# Altium PCB LimeSDR-X3_1v2.PcbDoc (part 5 of 25) (continued)
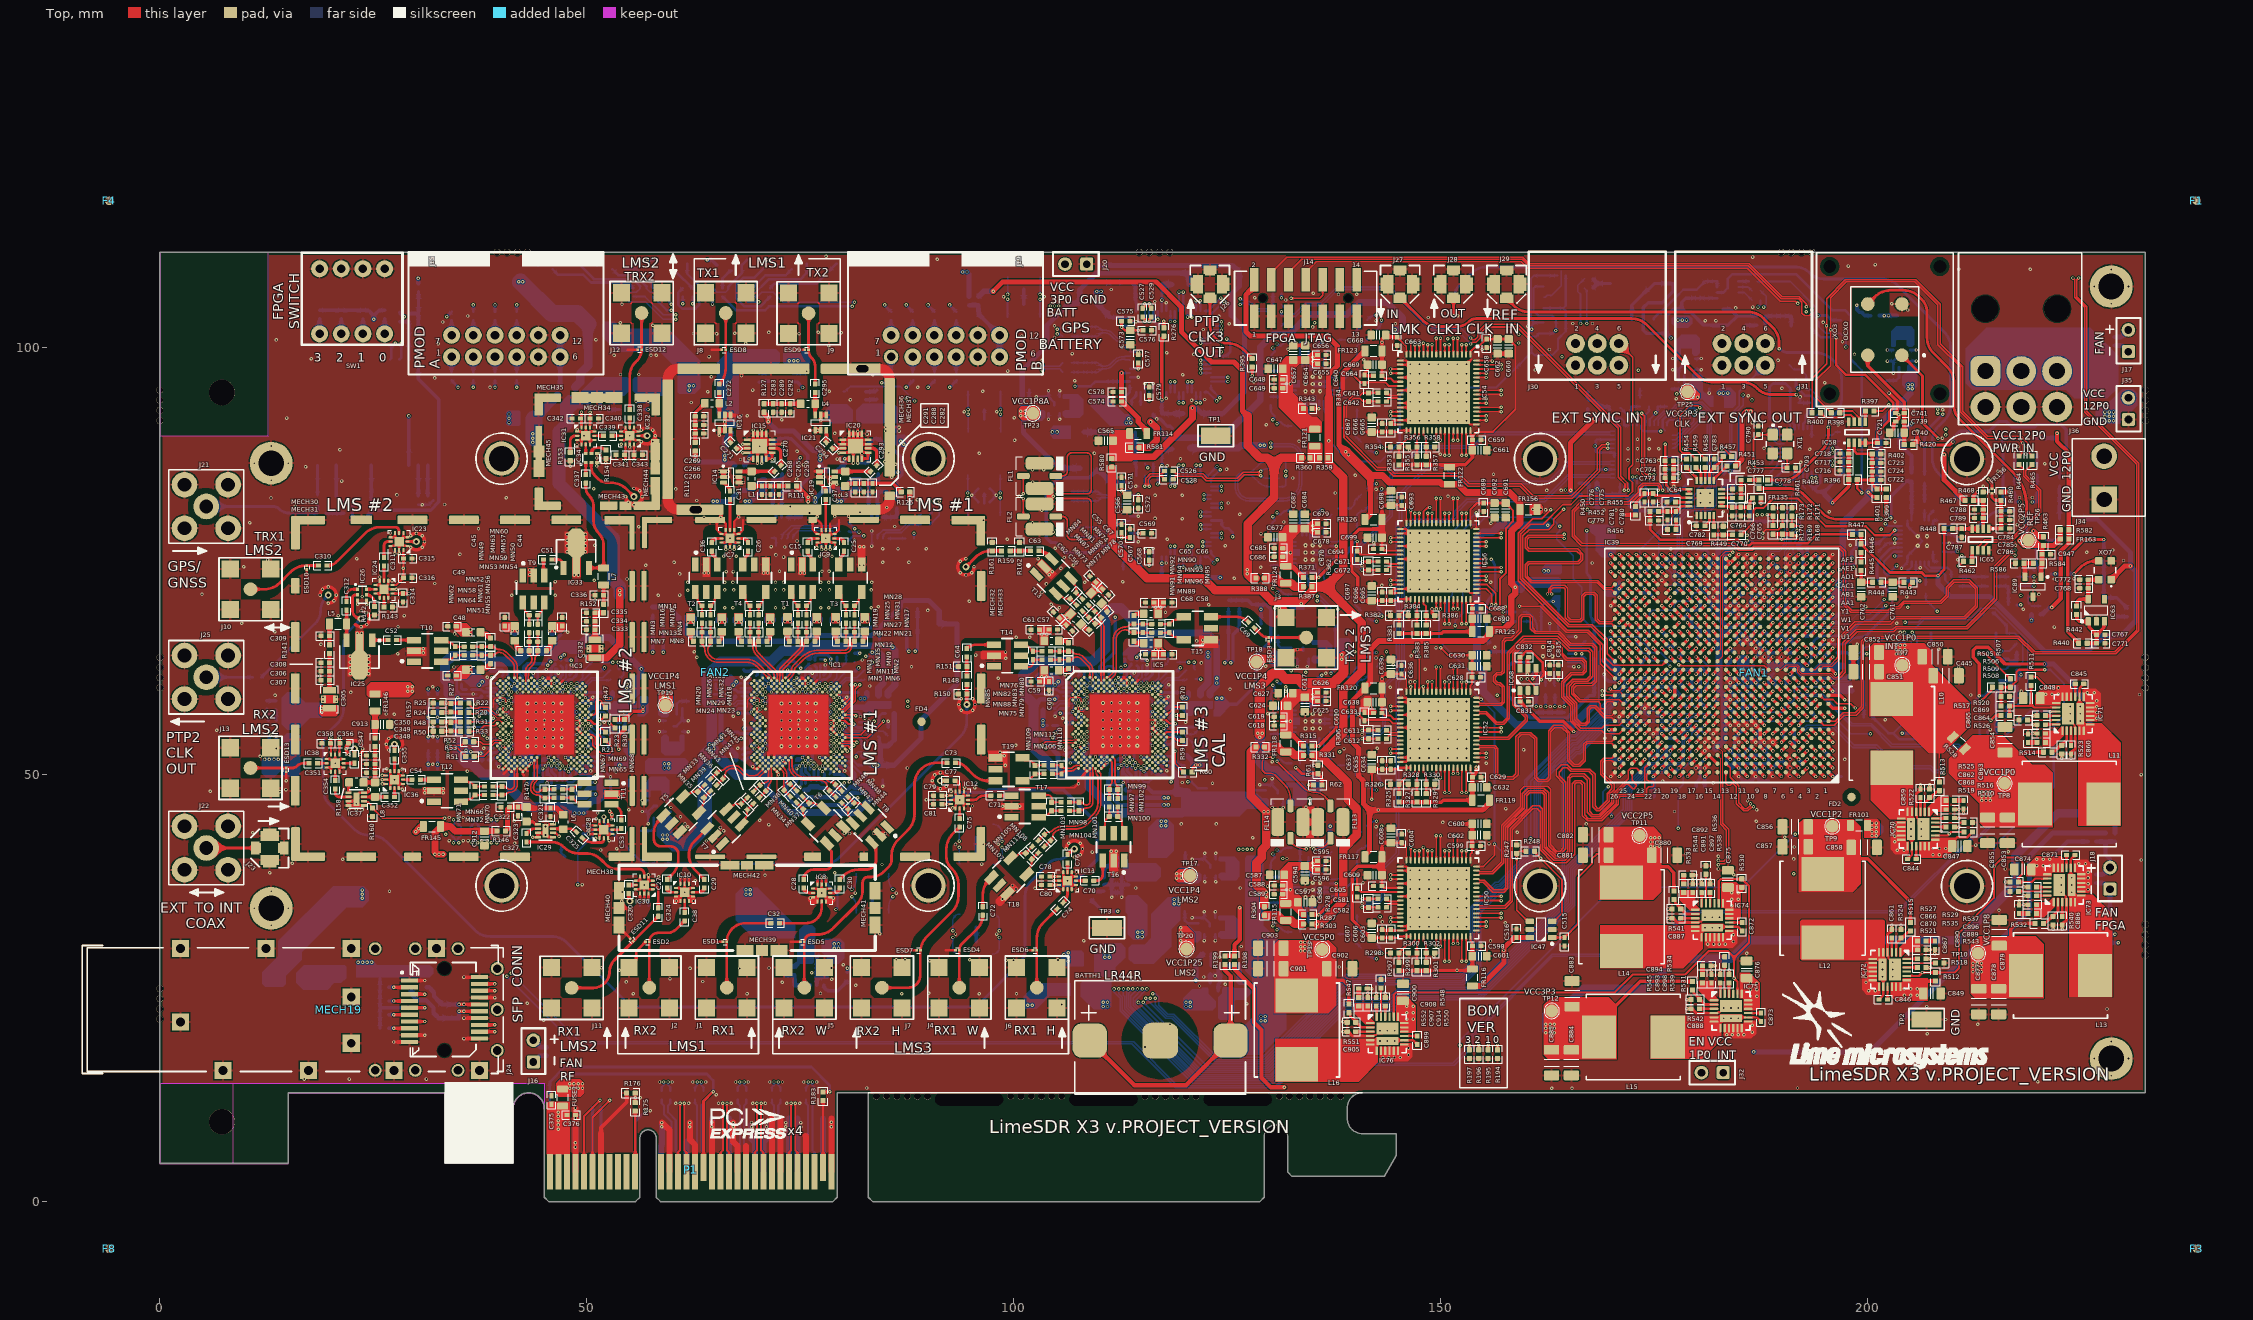
[diagram p0: Top view]
## Part data
BATTH1: library part LR44R_BATTERY_HOLDER, Case/Package=SMD/SMT, Color=Silver, Manufacturer="Keystone Electronics", Manufacturer Part Number 1=2996, Package Quantity=100, Supplier Part Number 1=36-2996-ND, Assembly Info=NF, ComponentLink1Description=http://na.industrial.panasonic.com/sites/default/pidsa/files/crseries_datasheets_merged.pdf, ComponentLink1URL=http://na.industrial.panasonic.com/sites/default/pidsa/files/crseries_datasheets_merged.pdf, ComponentLink2Description=https://datasheet.ciiva.com/18491/2996-18491290.pdf?src-supplier=Digi-Key, ComponentLink2URL=https://datasheet.ciiva.com/18491/2996-18491290.pdf?src-supplier=Digi-Key, Contact Material=Bronze, Contact Plating=Tin, Lead Free="Lead Free", Mount="Surface Mount,PCB", Number of Batteries=1, Number of Cells=1, Part Description="Battery Retainer Coin, 11.6mm 1 Cell SMD (SMT) Tab", Pricing 1="1=0,39000, 25=0,32720, 100=0,27070, 250=0,24944, 500=0,23438, 1000=0,21935, 2500=0,19929, 5000=0,18550 (USD)", REACH SVHC="No SVHC", RoHS=Yes, Series=-, Stock 1=11716, Supplier 1=Digi-Key, Termination=SMD/SMT
C1 C3 C5 C783 C790 C793: library part Cap_0402, Capacitance=10, Capacitance Tolerance="± 5%", Capacitor Case Style="0402 [1005 Metric]<!--FANDB--><div class=\"features-and-benefits-container\"></div>", Ceramic Capacitor Case="0402 [1005 Metric]", Dielectric Characteristic="C0G / NP0", Manufacturer=AVX, Manufacturer Part Number 1=04023A100JAT2A, Operating Temperature Max=125, Operating Temperature Min=-55, Supplier Part Number 1=2332478RL, Voltage Rating=25, Capacitance Tolerance ±="± 5%", MSL="MSL 1 - Unlimited", Packaging="Cut Tape", Part Description="10pF ±5% 25V C0G, NP0 Ceramic Capacitor -55°C ~ 125°C Surface Mount, MLCC 0402 (1005 Metric) 0.039\" L x 0.020\" W (1.00mm x 0.50mm)", Product Range=-, RoHS=YES, Supplier 1=Farnell, SVHC="No SVHC (16-Jun-2014)"
C2 C4 C6 C259 C260 C261 C275 C282 C283 C284 C298 C317 C322 C344 C349 C500 C524 C525 C535 C538 C542 C545 C553 C556 C559 C562 C567 C574 C701 C702 C716 C720 C722 C727 C730 C771 C772 C784 C788 C808 C819 C820 C834 C859 C860 C861 C886 C887 C888 C905 C939: library part Cap_0402, Capacitance=1, Capacitance Tolerance="± 10%", Ceramic Capacitor Case="0402 [1005 Metric]", Dielectric Characteristic=X6, Manufacturer=TDK, Manufacturer Part Number 1=C1005X5R1E105K050BC, Supplier Part Number 1=445-9066-1-ND, Voltage Rating=10, MSL=-, Part Description="1µF ±10% 10V X5R Ceramic Capacitor -55°C ~ 85°C Surface Mount, MLCC 0402 (1005 Metric) 0.039\" L x 0.020\" W (1.00mm x 0.50mm)", Product Range="TDK - C Series", RoHS=YES, Supplier 1=Digi-Key
  C771 C772: Assembly Info=NF
C7 C9 C11 C14 C17 C20 C21 C24 C25 C26 C43 C46 C47 C50 C55 C57 C60 C62 C65 C68 C69 C263 C286 C307 C312 C318 C333 C337 C345 C379 C380 C383 C384 C385 C386 C387 C388 C391 C392 C393 C394 C395 C396 C399 C400 C401 C402 C403 C404 C407 C408 C409 C410 C411 C412 C415 C416 C417 C418 C419 C420 C423 C424 C425 C426 C427 C428 C431 C432 C433 C434 C435 C436 C439 C440 C441 C442 C443 C444 C449 C450 C451 C452 C453 C454 C455 C456 C457 C458 C459 C460 C461 C464 C465 C466 C467 C468 C472 C473 C474 C475 C477 C478 C479 C480 C481 C482 C483 C484 C485 C486 C488 C489 C490 C491 C492 C493 C494 C495 C496 C497 C498 C499 C501 C700 C703 C705 C711 C712 C713 C714 C715 C719 C725 C726 C728 C735 C744 C746 C767 C768 C806 C821 C822 C823 C824 C825 C826 C827 C828 C829 C830 C835 C836 C844 C845 C846 C871 C872 C873 C899 C914 C940 MN25 MN26 MN31 MN32 MN93 MN96: library part Cap_0402, Capacitance="0.1 uF", Case Code - in=0402, Case Code - mm=1005, Case Height="0.5 mm", Case Length="1 mm", Dielectric=X7R, Manufacturer="Murata Electronics", Manufacturer Part Number 1=GRM155R71C104KA88D, Maximum Operating Temperature="+ 125 C", Minimum Operating Temperature="- 55 C", Operating Temperature Range="- 55 C to + 125 C", Package / Case="0402 (1005 metric)", Supplier Part Number 1=81-GRM155R71C104KA88, Temperature Coefficient / Code="+/- 15 %", Tolerance="10 %", Voltage Rating DC="16 V", Brand="Murata Electronics", Case Width="0.5 mm", Category="Multilayer Ceramic Capacitors MLCC - SMD/SMT", Minimum Order Quantity=1, Packaging=Reel, Part Description="0.10µF ±10% 16V X7R Ceramic Capacitor -55°C ~ 125°C Surface Mount, MLCC 0402 (1005 Metric) 0.039\" L x 0.020\" W (1.00mm x 0.50mm)", Product="General Type MLCCs", Product Category="Low & Medium Capacitance SMD Ceramic Chip Capacitors", Reeling=True, RoHS="RoHS Compliant", RoHS - Mouser=Y, Series=GRM, Standard Pack Qty=10000, Supplier 1=Mouser, Termination Style=SMD/SMT, Type="General Purpose MLCC"
  C725 C767 C768: Assembly Info=NF
C8 C10 C12 C13 C15 C16 C18 C19 C22 C23 C27 C28 C29 C30 C32 C35 C36 C38 C41 C42 C44 C45 C48 C49 C51 C52 C53 C54 C56 C58 C59 C61 C63 C64 C66 C67 C70 C71 C74 C75 C76 C77 C80 C81 C268 C269 C279 C291 C292 C302 C308 C310 C311 C315 C316 C320 C321 C323 C324 C325 C327 C328 C330 C331 C335 C338 C339 C342 C343 C347 C348 C350 C351 C352 C354 C355 C357 C358 C514 C519 C520 C521 C522 C523 C718 C732 C741 C751 C752 C753 C756 C757 C765 C766 C769 C770 C773 C774 C775 C786 C811 C814 C815 C816 C817 C837 C843 MN105 MN106 MN111 MN112: library part Cap_0402, Capacitance=100pF, Manufacturer=Yageo, Manufacturer Part Number 1=CC0402JRNPO9BN101, Operating Temperature="-55°C ~ 125°C", Package / Case="0402 (1005 Metric)", Ratings=-, Supplier Part Number 1=311-1024-1-ND, Temperature Coefficient="C0G, NP0", Tolerance=±5%, Voltage - Rated=50V, Applications="General Purpose", Category=Capacitors, Features=-, Height - Seated (Max)=-, Lead Spacing=-, Lead Style=-, Mounting Type="Surface Mount, MLCC", Part Description="100pF ±5% 50V C0G, NP0 Ceramic Capacitor -55°C ~ 125°C Surface Mount, MLCC 0402 (1005 Metric) 0.039\" L x 0.020\" W (1.00mm x 0.50mm)", RoHS="RoHS Compliant", Size / Dimension="0.039\" L x 0.020\" W (1.00mm x 0.50mm)", Supplier 1=Digi-Key, Thickness (Max)="0.022\" (0.55mm)"
  C8 C10 C12 C13 C15 C16 C18 C19 C22 C23 C27 C28 C29 C30 C32 C35 C36 C38 C41 C42 C44 C45 C48 C49 C51 C52 C53 C54 C56 C58 C59 C61 C63 C64 C66 C67 C70 C71 C74 C75 C76 C77 C80 C81 C268 C269 C291 C292 C308 C310 C311 C315 C316 C320 C321 C323 C324 C325 C327 C328 C330 C331 C335 C338 C339 C342 C343 C347 C348 C350 C351 C352 C354 C355 C357 C358 C514 C519 C741 C751 C752 C753 C756 C757 C811 C814 C815 C816 C817 C837 C843 MN105 MN106 MN111 MN112: Packaging="Cut Tape (CT)"
  C279 C302 C520 C521 C522 C523: Assembly Info=NF, Packaging="Cut Tape (CT)"
  C718 C732 C765 C766 C769 C770 C773 C774 C775 C786: Packaging="Tape & Reel (TR)"
C31 C37 C270 C271 C272 C293 C294 C295 C803 C862 C864 C866: library part Cap_0402, Capacitance=68pF, Manufacturer=Kemet, Manufacturer Part Number 1=CBR04C680F3GAC, Operating Temperature="-55°C ~ 125°C", Package / Case="0402 (1005 Metric)", Ratings=-, Supplier Part Number 1=399-11255-1-ND, Temperature Coefficient="C0G, NP0", Tolerance=±1%, Voltage - Rated=25V, Applications="RF, Microwave, High Frequency", Category=Capacitors, Features="High Q, Low Loss", Height - Seated (Max)=-, Lead Spacing=-, Lead Style=-, Mounting Type="Surface Mount, MLCC", Packaging="Cut Tape (CT)", Part Description="68pF ±1% 25V Ceramic Capacitor C0G, NP0 0402 (1005 Metric)", RoHS="RoHS Compliant", Size / Dimension="0.039\" L x 0.020\" W (1.00mm x 0.50mm)", Supplier 1=Digi-Key, Thickness (Max)="0.022\" (0.55mm)"
C33 C34 C39 C40 C78 C79 C273 C278 C296 C301 C313 C314 C326 C329 C340 C341 C353 C356 C729: library part Cap_0402, Manufacturer="Murata Electronics North America", Manufacturer Part Number 1=GRM155R71H103KA88D, Operating Temperature="-55°C ~ 125°C", Package / Case="0402 (1005 Metric)", Ratings=-, Supplier Part Number 1=490-4516-2-ND, Temperature Coefficient=X7R, Tolerance=±10%, Voltage - Rated=50V, Applications="General Purpose", Category=Capacitors, ComponentLink1Description=http://www.murata.com/~/media/webrenewal/support/library/catalog/products/capacitor/mlcc/c02e.ashx?la=en-us, ComponentLink1URL=http://www.murata.com/~/media/webrenewal/support/library/catalog/products/capacitor/mlcc/c02e.ashx?la=en-us, Features=-, Height - Seated (Max)=-, Lead Spacing=-, Lead Style=-, Mounting Type="Surface Mount, MLCC", Packaging="Tape & Reel (TR)", Part Description="10000pF ±10% 50V Ceramic Capacitor X7R 0402 (1005 Metric)", Part Status=Active, Pricing 1="10000=0.00185, 20000=0.00176, 30000=0.00167 (USD)", RoHS="RoHS Compliant", Size / Dimension="0.039\" L x 0.020\" W (1.00mm x 0.50mm)", Stock 1=10970000, Supplier 1=Digi-Key, Thickness (Max)="0.022\" (0.55mm)"
C72 C73: library part Cap_0402, Capacitance=470pF, Manufacturer="TDK Corporation", Manufacturer Part Number=C1005C0G1H471J050BA, Operating Temperature="-55°C ~ 125°C", Package / Case="0402 (1005 Metric)", Ratings=-, Supplier Part Number 1=445-2656-6-ND, Temperature Coefficient="C0G, NP0", Tolerance=±5%, Voltage - Rated=50V, Applications="General Purpose", Category=Capacitors, Features=-, Height - Seated (Max)=-, Lead Spacing=-, Lead Style=-, Manufacturer Part Number 1=C1005C0G1H471J050BA, Mounting Type="Surface Mount, MLCC", Packaging=Digi-Reel®, Part Description="470pF ±5% 50V Ceramic Capacitor C0G, NP0 0402 (1005 Metric)", RoHS="RoHS Compliant", Size / Dimension="0.039\" L x 0.020\" W (1.00mm x 0.50mm)", Supplier 1=Digi-Key, Thickness (Max)="0.022\" (0.55mm)"
C82 C84 C85 C86 C87 C88 C89 C91 C93 C95 C96 C97 C98 C99 C100 C101 C102 C103 C104 C105 C106 C107 C108 C109 C110 C111 C112 C113 C114 C115 C116 C117 C120 C122 C124 C126 C128 C129 C130 C131 C132 C133 C134 C135 C136 C137 C138 C139 C140 C141 C143 C144 C145 C146 C147 C148 C150 C152 C154 C155 C156 C157 C158 C159 C160 C161 C162 C163 C164 C165 C166 C167 C168 C169 C170 C171 C172 C173 C174 C175 C176 C179 C181 C183 C185 C187 C188 C189 C190 C191 C192 C193 C194 C195 C196 C197 C198 C199 C200 C202 C203 C204 C205 C206 C207 C209 C211 C213 C214 C215 C216 C217 C218 C219 C220 C221 C222 C223 C224 C225 C226 C227 C228 C229 C230 C231 C232 C233 C234 C235 C238 C240 C242 C244 C246 C247 C248 C249 C250 C251 C252 C253 C254 C255 C256 C257 C258: library part Cap_0402, Capacitance=1.0µF, Manufacturer="TDK Corporation", Manufacturer Part Number 1=JMK063ABJ105MP-F, Operating Temperature="-55°C ~ 85°C", Package / Case="0201 (0603 Metric)", Ratings=-, Supplier Part Number 1=587-5864-2-ND, Temperature Coefficient=X5R, Tolerance=±20%, Voltage - Rated=6.3V, Applications="General Purpose", Category=Capacitors, Features=-, Height - Seated (Max)=-, Lead Spacing=-, Lead Style=-, Mounting Type="Surface Mount, MLCC", Packaging="Cut Tape (CT)", Part Description="1µF ±20% 6.3V X5R Ceramic Capacitor -55°C ~ 85°C Surface Mount, MLCC 0201 (0603 Metric) 0.024\" L x 0.012\" W (0.60mm x 0.30mm)", RoHS="RoHS Compliant", Size / Dimension="0.024\" L x 0.012\" W (0.60mm x 0.30mm)", Supplier 1=Digi-Key, Thickness (Max)=-
C83 C90 C92 C94 C119 C121 C123 C125 C127 C142 C149 C151 C153 C178 C180 C182 C184 C186 C201 C208 C210 C212 C237 C239 C241 C243 C245: library part Cap_0402, Capacitance=1000pF, Manufacturer="TDK Corporation", Manufacturer Part Number 1=C0603X7R1E102K030BA, Operating Temperature="-55°C ~ 125°C", Package / Case="0201 (0603 Metric)", Ratings=-, Supplier Part Number 1=445-7275-1-ND, Temperature Coefficient=X7R, Tolerance=±10%, Voltage - Rated=25V, Applications="General Purpose", Category=Capacitors, Features=-, Height - Seated (Max)=-, Lead Spacing=-, Lead Style=-, Mounting Type="Surface Mount, MLCC", Packaging="Cut Tape (CT)", Part Description="1000pF ±10% 25V X7R Ceramic Capacitor -55°C ~ 125°C Surface Mount, MLCC 0201 (0603 Metric) 0.024\" L x 0.012\" W (0.60mm x 0.30mm)", RoHS="RoHS Compliant", Size / Dimension="0.024\" L x 0.012\" W (0.60mm x 0.30mm)", Supplier 1=Digi-Key, Thickness (Max)="0.013\" (0.33mm)"
C118 C177 C236 C513 C602 C609 C632 C639 C662 C669 C692 C699 C761 C762 C807 C818 C833 C917 C918 C921: library part Cap_0603, Capacitance=10µF, Manufacturer=Yageo, Manufacturer Part Number 1=CC0603MRX5R5BB106, Package / Case="0603 (1608 Metric)", Supplier Part Number 1=311-1448-2-ND, Tolerance=±20%, Voltage - Rated=6.3V, Category=Capacitors, Part Description="10µF ±20% 6.3V X5R Ceramic Capacitor -55°C ~ 85°C Surface Mount, MLCC 0603 (1608 Metric) 0.063\" L x 0.031\" W (1.60mm x 0.80mm)", Supplier 1=Digi-Key
C262 C285 C305 C332: library part Cap_feed_through, Capacitance=470nF, Case/Package=0805, Case Code (Metric)=2012, Current=2A, DC Resistance (DCR)=30mR, Insulation Resistance=1GR, Manufacturer=Murata, Manufacturer Part Number 1=NFM21PC474R1C3D, Max Operating Temperature=125°C, Max Voltage Rating (DC)=16V, Min Operating Temperature=-55°C, Package Quantity=1, Supplier Part Number 1=490-2537-1-ND, Tolerance=20%, Case Code (Imperial)=0805, Current Rating=2A, Depth=1.25mm, Height=0.85mm, Lead Free="Lead Free", Length=2mm, Max Current Rating=2A, Mount="Surface Mount,PCB", Packaging="Tape and Reel", Part Description="0.47µF Feed Through Capacitor 16V 2A 30mOhm 0805 (2012 Metric), 3 PC Pad", Pricing 1="1=0,25000, 10=0,22900, 25=0,21840, 50=0,21160, 100=0,20450, 250=0,19392, 500=0,16218, 1000=0,12586 (USD)", Radiation Hardening=No, REACH SVHC="No SVHC", RoHS=Yes, Stock 1=220606, Supplier 1=Digi-Key, Termination=Flat, Voltage=16V, Voltage Rating=16V, Voltage Rating (DC)=16V, Weight=0.000194oz, Width=1.25mm
C264 C287 C534 C537 C541 C544 C552 C555 C558 C561 C566 C573 C587 C594 C617 C624 C647 C654 C677 C684 C740 C904 C906 C912 C913: library part Cap_0603, Capacitance=10µF, Manufacturer=Yageo, Manufacturer Part Number 1=GRM188R61C106MA73D, Operating Temperature="-55°C ~ 85°C", Package / Case="0603 (1608 Metric)", Ratings=-, Supplier Part Number 1=490-7201-2-ND, Temperature Coefficient=X5R, Tolerance=±20%, Voltage - Rated=16V, Applications="General Purpose", Category=Capacitors, Features=-, Height - Seated (Max)=-, Lead Spacing=-, Lead Style=-, Mounting Type="Surface Mount, MLCC", Packaging="Tape & Reel (TR)", Part Description="10µF ±20% 16V Ceramic Capacitor X5R 0603 (1608 Metric)", RoHS="RoHS Compliant", Size / Dimension="0.063\" L x 0.031\" W (1.60mm x 0.80mm)", Supplier 1=Digi-Key, Thickness (Max)="0.039\" (1.00mm)"
C265 C266 C274 C281 C288 C289 C297 C304 C721 C736 C777 C778 C787: library part Cap_0402, Capacitance="1000 pF", Case Code - in=0402, Case Code - mm=1005, Case Height="0.5 mm", Case Length="1 mm", Dielectric=X7R, Manufacturer="Murata Electronics", Manufacturer Part Number 1=GCM155R71H102KA37D, Maximum Operating Temperature="+ 125 C", Minimum Operating Temperature="- 55 C", Operating Temperature Range="- 55 C to + 125 C", Package / Case="0402 (1005 metric)", Supplier Part Number 1=81-GCM155R71H102KA7D, Temperature Coefficient / Code="+/- 15 %", Tolerance="10 %", Voltage Rating DC="50 V", Brand="Murata Electronics", Case Width="0.5 mm", Category="Multilayer Ceramic Capacitors MLCC - SMD/SMT", Minimum Order Quantity=1, Packaging=Reel, Part Description="1000pF ±10% 50V X7R Ceramic Capacitor -55°C ~ 125°C Surface Mount, MLCC 0402 (1005 Metric) 0.039\" L x 0.020\" W (1.00mm x 0.50mm)", Product="Automotive MLCCs", Product Category="Automotive Ceramic Chip Capacitors", Reeling=True, RoHS="RoHS Compliant", RoHS - Mouser=Y, Series=GCM, Standard Pack Qty=10000, Supplier 1=Mouser, Termination Style=SMD/SMT, Type="Automotive Ultra Small MLCC"
C267 C290 C319 C346: library part Cap_0402, Manufacturer="Murata Electronics North America", Manufacturer Part Number 1=GRM155R71H272KA01J, Operating Temperature="-55°C ~ 125°C", Package / Case="0402 (1005 Metric)", Ratings=-, Supplier Part Number 1=490-6361-1-ND, Temperature Coefficient=X7R, Tolerance=±10%, Voltage - Rated=50V, Applications="General Purpose", Assembly Info=NF, Category=Capacitors, Features=-, Height - Seated (Max)=-, Lead Spacing=-, Mounting Type="Surface Mount, MLCC", Notification="Current market demand for these product types have resulted in fluctuating and extending lead times. Lead times may differ.", Packaging="Cut Tape (CT)", Part Description="2700pF ±10% 50V Ceramic Capacitor X7R 0402 (1005 Metric)", Part Status=Active, RoHS="RoHS Compliant", Size / Dimension="0.039\" L x 0.020\" W (1.00mm x 0.50mm)", Supplier 1=Digi-Key, Thickness (Max)="0.022\" (0.55mm)"
C276 C280 C299 C303 C359 C360 C361 C362 C363 C364 C365 C366 C367 C368 C369 C370 C371 C502 C508 C510 C515 C516 C526 C527 C528 C529 C536 C539 C540 C543 C546 C547 C554 C557 C560 C563 C568 C569 C570 C571 C572 C575 C576 C577 C578 C579 C580 C581 C582 C583 C588 C589 C590 C595 C596 C598 C599 C603 C604 C605 C606 C610 C611 C612 C613 C618 C619 C620 C625 C626 C628 C629 C633 C634 C635 C636 C640 C641 C642 C644 C648 C649 C650 C655 C656 C658 C659 C663 C664 C665 C666 C670 C671 C672 C673 C678 C679 C680 C685 C686 C688 C689 C693 C694 C695 C696 C717 C723 C724 C731 C785 C789 C831 C832 C838 C947: library part Cap_0603, Capacitance="0.1 uF", Case Code - in=0402, Case Code - mm=1005, Case Height="0.5 mm", Case Length="1 mm", Dielectric=X7R, Manufacturer="Murata Electronics", Manufacturer Part Number 1=GRM155R71C104KA88D, Maximum Operating Temperature="+ 125 C", Minimum Operating Temperature="- 55 C", Operating Temperature Range="- 55 C to + 125 C", Package / Case="0402 (1005 metric)", Supplier Part Number 1=81-GRM155R71C104KA88, Temperature Coefficient / Code="+/- 15 %", Tolerance="10 %", Voltage Rating DC="16 V", Brand="Murata Electronics", Case Width="0.5 mm", Category="Multilayer Ceramic Capacitors MLCC - SMD/SMT", Minimum Order Quantity=1, Packaging=Reel, Part Description="0.10µF ±10% 16V X7R Ceramic Capacitor -55°C ~ 125°C Surface Mount, MLCC 0402 (1005 Metric) 0.039\" L x 0.020\" W (1.00mm x 0.50mm)", Product="General Type MLCCs", Product Category="Low & Medium Capacitance SMD Ceramic Chip Capacitors", Reeling=True, RoHS="RoHS Compliant", RoHS - Mouser=Y, Series=GRM, Standard Pack Qty=10000, Supplier 1=Mouser, Termination Style=SMD/SMT, Type="General Purpose MLCC"
  C502 C947: Assembly Info=NF
C277 C300: library part Cap_0402, Capacitance=2.2pF, Manufacturer="Samsung Electro-Mechanics America, Inc.", Manufacturer Part Number 1=CL05C2R2CB5NNNC, Operating Temperature="-55°C ~ 125°C", Package / Case="0402 (1005 Metric)", Ratings=-, Supplier Part Number 1=1276-1271-1-ND, Temperature Coefficient="C0G, NP0", Tolerance=±0.25pF, Voltage - Rated=50V, Applications="General Purpose", Category=Capacitors, Features=-, Height - Seated (Max)=-, Lead Spacing=-, Lead Style=-, Mounting Type="Surface Mount, MLCC", Packaging="Cut Tape (CT)", Part Description="2.2pF ±0.25pF 50V Ceramic Capacitor C0G, NP0 0402 (1005 Metric)", RoHS="RoHS Compliant", Size / Dimension="0.039\" L x 0.020\" W (1.00mm x 0.50mm)", Supplier 1=Digi-Key, Thickness (Max)="0.022\" (0.55mm)"
C306 C334 C890 C892 C894 C908: library part Cap_0402, Capacitance=1200pF, Manufacturer=Kemet, Manufacturer Part Number 1=C0402C122J5GACTU, Operating Temperature="-55°C ~ 125°C", Package / Case="0402 (1005 Metric)", Ratings=-, Supplier Part Number 1=399-7334-1-ND, Temperature Coefficient="C0G, NP0", Tolerance=±5%, Voltage - Rated=50V, Applications="General Purpose", Category=Capacitors, Features=-, Height - Seated (Max)=-, Lead Spacing=-, Lead Style=-, Mounting Type="Surface Mount, MLCC", Packaging="Cut Tape (CT)", Part Description="1200pF ±5% 50V Ceramic Capacitor C0G, NP0 0402 (1005 Metric)", RoHS="RoHS Compliant", Size / Dimension="0.039\" L x 0.020\" W (1.00mm x 0.50mm)", Supplier 1=Digi-Key, Thickness (Max)="0.022\" (0.55mm)"
C309 C336: library part Cap_0402, Capacitance=18nF, Case/Package=0402, Dielectric=X7R, Manufacturer=Yageo, Manufacturer Part Number 1=CC0402KRX7R8BB183, Max Operating Temperature=125°C, Min Operating Temperature=-55°C, Supplier Part Number 1=311-3345-1-ND, Tolerance=10%, Voltage Rating=25V, Assembly Info=NF, ComponentLink1Description=http://www.murata.com/~/media/webrenewal/support/library/catalog/products/capacitor/mlcc/c02e.ashx?la=en-us, ComponentLink1URL=http://www.murata.com/~/media/webrenewal/support/library/catalog/products/capacitor/mlcc/c02e.ashx?la=en-us, ComponentLink2Description=http://www.yageo.com/documents/recent/UPY-GPHC_X7R_6.3V-to-50V_18.pdf?src-supplier=Digi-Key, ComponentLink2URL=http://www.yageo.com/documents/recent/UPY-GPHC_X7R_6.3V-to-50V_18.pdf?src-supplier=Digi-Key, ComponentLink3Description=http://www.yageo.com/documents/recent/UPY-GPHC_X7R_6.3V-to-50V_16.pdf?src-supplier=Digi-Key, ComponentLink3URL=http://www.yageo.com/documents/recent/UPY-GPHC_X7R_6.3V-to-50V_16.pdf?src-supplier=Digi-Key, Halogen Free="Halogen Free", Lead Free="Lead Free", Length=0.039inch, Mount="Surface Mount", Packaging="Tape and Reel", Part Description="0.018µF ±10% 25V Ceramic Capacitor X7R 0402 (1005 Metric)", Pricing 1="1=0,10000, 10=0,05000, 100=0,02210, 500=0,01580, 1000=0,01242, 2500=0,01129, 5000=0,01038 (USD)", RoHS=Yes, Stock 1=39602, Supplier 1=Digi-Key, Thickness=0.022inch, Voltage Rating (DC)=25V, Width=0.02inch
C372 C373 C374 C375 C376 C504 C505 C506 C507 C802 C868 C869 C870 C896 C897 C898 C909 C910 C911: library part Cap_0402, Capacitance=0.022µF, Manufacturer=Kemet, Manufacturer Part Number 1=C0402C223K5RACTU, Operating Temperature="-55°C ~ 125°C", Package / Case="0402 (1005 Metric)", Ratings=-, Supplier Part Number 1=399-7780-1-ND, Temperature Coefficient=X7R, Tolerance=±10%, Voltage - Rated=50V, Applications="General Purpose", Category=Capacitors, Features=-, Height - Seated (Max)=-, Lead Spacing=-, Lead Style=-, Mounting Type="Surface Mount, MLCC", Packaging="Cut Tape (CT)", Part Description="0.022µF ±10% 50V Ceramic Capacitor X7R 0402 (1005 Metric)", RoHS="RoHS Compliant", Size / Dimension="0.039\" L x 0.020\" W (1.00mm x 0.50mm)", Supplier 1=Digi-Key, Thickness (Max)="0.022\" (0.55mm)"
C377 C381 C389 C397 C405 C413 C421 C429 C437 C447 C462 C469 C470 C851 C854 C857 C883 C884 C901 C902: library part Cap_1206, Manufacturer="Samsung Electro-Mechanics", Manufacturer Part Number=CL31A476MQHNNNE, Operating Temperature="-55°C ~ 85°C", Package / Case="1206 (3216 Metric)", Ratings=-, Supplier Part Number 1=1276-1167-1-ND, Temperature Coefficient=X5R, Tolerance=±20%, Voltage - Rated=6.3V, Applications="General Purpose", Category=Capacitors, Features=-, Height - Seated (Max)=-, Lead Spacing=-, Lead Style=-, Manufacturer Part Number 1=CL31A476MQHNNNE, Mounting Type="Surface Mount, MLCC", Notification="Current market demand for these product types have resulted in fluctuating and extending lead times. Lead times may differ.", Packaging="Cut Tape (CT)", Part Description="47µF ±20% 6.3V Ceramic Capacitor X5R 1206 (3216 Metric)", Part Status=Active, RoHS="RoHS Compliant", Size / Dimension="0.126\" L x 0.063\" W (3.20mm x 1.60mm)", Supplier 1=Digi-Key, Thickness (Max)="0.071\" (1.80mm)"
  C902: Assembly Info=NF
C378 C382 C390 C398 C406 C414 C422 C430 C438 C448 C463 C471 C476 C487 C895 C927 C928 C929 C930 C931 C932 C933 C934 C935 C936 C937 C938 C941 C942 C943 C944 C945 C946: library part Cap_0402, Capacitance=4.7µF, Manufacturer="Murata Electronics North America", Manufacturer Part Number 1=GRM155R60J475ME87D, Operating Temperature="-55°C ~ 85°C", Package / Case="0402 (1005 Metric)", Ratings=-, Supplier Part Number 1=490-5408-1-ND, Temperature Coefficient=X5R, Tolerance=±20%, Voltage - Rated=6.3V, Applications="General Purpose", Category=Capacitors, Features="Derating Recommended", Height - Seated (Max)=-, Lead Spacing=-, Lead Style=-, Mounting Type="Surface Mount, MLCC", Packaging="Cut Tape (CT)", Part Description="4.7µF ±20% 6.3V X5R Ceramic Capacitor -55°C ~ 85°C Surface Mount, MLCC 0402 (1005 Metric) 0.039\" L x 0.020\" W (1.00mm x 0.50mm)", RoHS="RoHS Compliant", Size / Dimension="0.039\" L x 0.020\" W (1.00mm x 0.50mm)", Supplier 1=Digi-Key, Thickness (Max)="0.022\" (0.55mm)"
C445 C446 C850 C852 C853 C855 C856 C858 C882: library part Cap_1206, Capacitance=220µF, Manufacturer="Murata Electronics North America", Manufacturer Part Number 1=GRM31CR60G227ME11L, Operating Temperature="-55°C ~ 85°C", Package / Case="1206 (3216 Metric)", Ratings=-, Supplier Part Number 1=490-9774-1-ND, Temperature Coefficient=X5R, Tolerance=±20%, Voltage - Rated=4V, Applications="General Purpose", Category=Capacitors, Features=-, Height - Seated (Max)=-, Lead Spacing=-, Lead Style=-, Mounting Type="Surface Mount, MLCC", Packaging="Cut Tape (CT)", Part Description="220µF ±20% 4V Ceramic Capacitor X5R 1206 (3216 Metric)", RoHS="RoHS Compliant", Size / Dimension="0.126\" L x 0.063\" W (3.20mm x 1.60mm)", Supplier 1=Digi-Key, Thickness (Max)="0.075\" (1.90mm)"
  C852 C855 C858 C882: Assembly Info=NF
C503 C509 C517 C840 C841 C842: library part Cap_0603, Capacitance="0.1 uF", Case Code - in=0402, Case Code - mm=1005, Case Height="0.5 mm", Case Length="1 mm", Dielectric=X7R, Manufacturer="Murata Electronics", Manufacturer Part Number=GRM155R71C104KA88D, Maximum Operating Temperature="+ 125 C", Minimum Operating Temperature="- 55 C", Operating Temperature Range="- 55 C to + 125 C", Package / Case="0402 (1005 metric)", Supplier Part Number 1=81-GRM155R71C104KA88, Temperature Coefficient / Code="+/- 15 %", Tolerance="10 %", Voltage Rating DC="16 V", Brand="Murata Electronics", Case Width="0.5 mm", Category="Multilayer Ceramic Capacitors MLCC - SMD/SMT", Manufacturer Part Number 1=GRM155R71C104KA88D, Minimum Order Quantity=1, Packaging=Reel, Part Description="0.10µF ±10% 16V X7R Ceramic Capacitor -55°C ~ 125°C Surface Mount, MLCC 0402 (1005 Metric) 0.039\" L x 0.020\" W (1.00mm x 0.50mm)", Product="General Type MLCCs", Product Category="Low & Medium Capacitance SMD Ceramic Chip Capacitors", Reeling=True, RoHS="RoHS Compliant", RoHS - Mouser=Y, Series=GRM, Standard Pack Qty=10000, Supplier 1=Mouser, Termination Style=SMD/SMT, Type="General Purpose MLCC"
C511 C585 C592 C615 C622 C645 C652 C675 C682 C779 C780 C781: library part Cap_0402, Capacitance=22pF, Manufacturer=Yageo, Manufacturer Part Number 1=CC0402JRNPO9BN220, Operating Temperature="-55°C ~ 125°C", Package / Case="0402 (1005 Metric)", Ratings=-, Supplier Part Number 1=311-1018-2-ND, Temperature Coefficient="C0G, NP0", Tolerance=±5%, Voltage - Rated=50V, Applications="General Purpose", Category=Capacitors, Features=-, Height - Seated (Max)=-, Lead Spacing=-, Lead Style=-, Mounting Type="Surface Mount, MLCC", Packaging="Tape & Reel (TR)", Part Description="22pF ±5% 50V C0G, NP0 Ceramic Capacitor -55°C ~ 125°C Surface Mount, MLCC 0402 (1005 Metric) 0.039\" L x 0.020\" W (1.00mm x 0.50mm)", RoHS="RoHS Compliant", Size / Dimension="0.039\" L x 0.020\" W (1.00mm x 0.50mm)", Supplier 1=Digi-Key, Thickness (Max)="0.022\" (0.55mm)"
C512 C748 C758: library part Cap_0402, "CAP CER 1UF 10V X5R 0402", Capacitance=1, Capacitance Tolerance="± 10%", Ceramic Capacitor Case="0402 [1005 Metric]", Dielectric Characteristic=X6, Manufacturer=TDK, Manufacturer Part Number 1=C1005X5R1E105K050BC, Supplier Part Number 1=445-9066-1-ND, Voltage Rating=10, MSL=-, Part Description="1µF ±10% 10V X5R Ceramic Capacitor -55°C ~ 85°C Surface Mount, MLCC 0402 (1005 Metric) 0.039\" L x 0.020\" W (1.00mm x 0.50mm)", Product Range="TDK - C Series", RoHS=YES, Supplier 1=Digi-Key
  C748 C758: Assembly Info=NF
C518 C737 C738 C739 C742 C743 C745 C747 C750 C755 C759 C763 C764 C776 C791 C792 C794 C795 C796 C797 C810 C813: library part Cap_0402, Capacitance="0.1 uF", Case Code - in=0402, Case Code - mm=1005, Case Height="0.5 mm", Case Length="1 mm", Dielectric=X7R, Manufacturer="Murata Electronics", Manufacturer Part Number=GRM155R71C104KA88D, Maximum Operating Temperature="+ 125 C", Minimum Operating Temperature="- 55 C", Operating Temperature Range="- 55 C to + 125 C", Package / Case="0402 (1005 metric)", Supplier Part Number 1=81-GRM155R71C104KA88, Temperature Coefficient / Code="+/- 15 %", Tolerance="10 %", Voltage Rating DC="16 V", Brand="Murata Electronics", Case Width="0.5 mm", Category="Multilayer Ceramic Capacitors MLCC - SMD/SMT", Manufacturer Part Number 1=GRM155R71C104KA88D, Minimum Order Quantity=1, Packaging=Reel, Part Description="0.10µF ±10% 16V X7R Ceramic Capacitor -55°C ~ 125°C Surface Mount, MLCC 0402 (1005 Metric) 0.039\" L x 0.020\" W (1.00mm x 0.50mm)", Product="General Type MLCCs", Product Category="Low & Medium Capacitance SMD Ceramic Chip Capacitors", Reeling=True, RoHS="RoHS Compliant", RoHS - Mouser=Y, Series=GRM, Standard Pack Qty=10000, Supplier 1=Mouser, Termination Style=SMD/SMT, Type="General Purpose MLCC"
  C747 C759: Assembly Info=NF
C530 C531 C532 C533 C548 C549 C550 C551 C564 C565 C704 C706 C707 C708 C709 C710 C733 C734 C915 C916 C919 C920 C922 C923: library part Cap_0603, Capacitance="22 uF", Case Code - in=0603, Case Code - mm=1608, Manufacturer="TDK Corporation", Manufacturer Part Number 1=C1608X5R1A226M080AC, Operating Temperature Range="- 55 C to + 85 C", Package / Case="0603 (1608 metric)", Supplier Part Number 1=810-C1608X5R1A226M, Temperature Coefficient / Code="+/- 15 %", Tolerance="20 %", Voltage Rating DC="10 V", Brand=TDK, Category="Multilayer Ceramic Capacitors MLCC - SMD/SMT", Supplier 1=Mouser, Type="Multilayer Ceramic Chip Capacitor"
  C530 C531 C532 C533 C548 C549 C550 C551 C564 C565: Part Description="22µF ±20% 10V Ceramic Capacitor X5R 0603 (1608 Metric)"
  C704 C706 C707 C708 C709 C710 C733 C734 C915 C916 C919 C920 C922 C923: Part Description="22µF ±20% 10V X5R Ceramic Capacitor -55°C ~ 85°C Surface Mount, MLCC 0603 (1608 Metric) 0.063\" L x 0.031\" W (1.60mm x 0.80mm)"
C584 C586 C591 C593 C614 C616 C621 C623 C643 C646 C651 C653 C674 C676 C681 C683 C891 C893: library part Cap_0402, Capacitance=4.7, Capacitance Tolerance="± 0.25", Ceramic Capacitor Case="0402 [1005 Metric]", Dielectric Characteristic="C0G / NP0", Manufacturer=MURATA, Manufacturer Part Number 1=GRM1555C1H4R7CA01D, Operating Temperature Max=125, Operating Temperature Min=-55, Supplier Part Number 1=2434644, Voltage Rating=50, MSL="MSL 1 - Unlimited", Packaging="Cut Tape", Part Description="4.7pF ±0.25pF 50V Ceramic Capacitor C0G, NP0 0402 (1005 Metric)", Product Range="GRM Series", RoHS=YES, Supplier 1=Farnell, SVHC="No SVHC (15-Jun-2015"
C597 C600 C601 C607 C608 C627 C630 C631 C637 C638 C657 C660 C661 C667 C668 C687 C690 C691 C697 C698: library part Cap_0603, Capacitance=22uF, Case Code - in=0603, Case Code - mm=1608, Manufacturer="TDK Corporation", Manufacturer Part Number 1=C1608X5R1A226M080AC, Operating Temperature Range="- 55 C to + 85 C", Package / Case="0603 (1608 metric)", Supplier Part Number 1=810-C1608X5R1A226M, Temperature Coefficient / Code="+/- 15 %", Tolerance="20 %", Voltage Rating DC="10 V", Brand=TDK, Category="Multilayer Ceramic Capacitors MLCC - SMD/SMT", Part Description="22µF ±20% 10V Ceramic Capacitor X5R 0603 (1608 Metric)", Supplier 1=Mouser, Type="Multilayer Ceramic Chip Capacitor"
C749 C754 C809 C812 C839: library part Cap_0402, "CAP CER 2.2UF 16V 10% X5R 0402", Capacitance=2.2µF, Capacitor Case Style="0402 [1005 Metric]", Manufacturer="TDK Corporation", Manufacturer Part Number 1=C1005X5R1C225K050BC, Operating Temperature="-55°C ~ 85°C", Operating Temperature Range="-55°C to +85", Package / Case="0402 (1005 Metric)", Ratings=-, Supplier Part Number 1=445-9085-6-ND, Temperature Coefficient=X5R, Tolerance=±20%, Voltage - Rated=16V, Applications="General Purpose", Category=Capacitors, Features=-, Height - Seated (Max)=-, Lead Spacing=-, Lead Style=-, Mounting Type="Surface Mount, MLCC", Packaging="Tape & Reel (TR)", Part Description="2.2µF ±10% 16V Ceramic Capacitor X5R 0402 (1005 Metric)", RoHS="RoHS Compliant", Size / Dimension="0.039\" L x 0.020\" W (1.00mm x 0.50mm)", Supplier 1=Digi-Key, Thickness (Max)="0.022\" (0.55mm)"
C760: library part Cap_0402, Capacitance=0.018µF, Manufacturer=Yageo, Manufacturer Part Number 1=CC0402KRX7R7BB183, Operating Temperature="-55°C ~ 125°C", Package / Case="0402 (1005 Metric)", Supplier Part Number 1=311-1706-1-ND, Temperature Coefficient=X7R, Tolerance=±10%, Voltage - Rated=16V, Applications="General Purpose", Assembly Info=NF, Category=Capacitors, Mounting Type="Surface Mount, MLCC", Packaging="Cut Tape (CT)", Part Description="0.018µF ±10% 16V Ceramic Capacitor X7R 0402 (1005 Metric)", Part Status=Active, RoHS="RoHS Compliant", Size / Dimension="0.039\" L x 0.020\" W (1.00mm x 0.50mm)", Supplier 1=Digi-Key, Thickness (Max)="0.022\" (0.55mm)"
C782: library part Cap_0402, Capacitance=220pF, Manufacturer=Yageo, Manufacturer Part Number 1=CC0402KRX7R9BB221, Operating Temperature="-55°C ~ 125°C", Package / Case="0402 (1005 Metric)", Ratings=-, Supplier Part Number 1=311-1035-2-ND, Temperature Coefficient=X7R, Tolerance=±10%, Voltage - Rated=50V, Applications="General Purpose", Category=Capacitors, Features=-, Height - Seated (Max)=-, Lead Spacing=-, Lead Style=-, Mounting Type="Surface Mount, MLCC", Packaging="Tape & Reel (TR)", Part Description="220pF ±10% 50V X7R Ceramic Capacitor -55°C ~ 125°C Surface Mount, MLCC 0402 (1005 Metric) 0.039\" L x 0.020\" W (1.00mm x 0.50mm)", RoHS="RoHS Compliant", Size / Dimension="0.039\" L x 0.020\" W (1.00mm x 0.50mm)", Supplier 1=Digi-Key, Thickness (Max)="0.022\" (0.55mm)"
C798 C799 C800 C801 C804 C805: library part Cap_0402, Capacitance=47pF, Manufacturer="TDK Corporation", Manufacturer Part Number 1=C1005C0G1H470F050BA, Operating Temperature="-55°C ~ 125°C", Package / Case="0402 (1005 Metric)", Ratings=-, Supplier Part Number 1=445-5361-1-ND, Temperature Coefficient="C0G, NP0", Tolerance=±1%, Voltage - Rated=50V, Applications="General Purpose", Assembly Info=NF, Category=Capacitors, Features=-, Height - Seated (Max)=-, Lead Spacing=-, Lead Style=-, Mounting Type="Surface Mount, MLCC", Packaging="Cut Tape (CT)", Part Description="47pF ±1% 50V Ceramic Capacitor C0G, NP0 0402 (1005 Metric)", RoHS="RoHS Compliant", Size / Dimension="0.039\" L x 0.020\" W (1.00mm x 0.50mm)", Supplier 1=Digi-Key, Thickness (Max)="0.022\" (0.55mm)"